# KiCad board MacroBoard.kicad_pcb
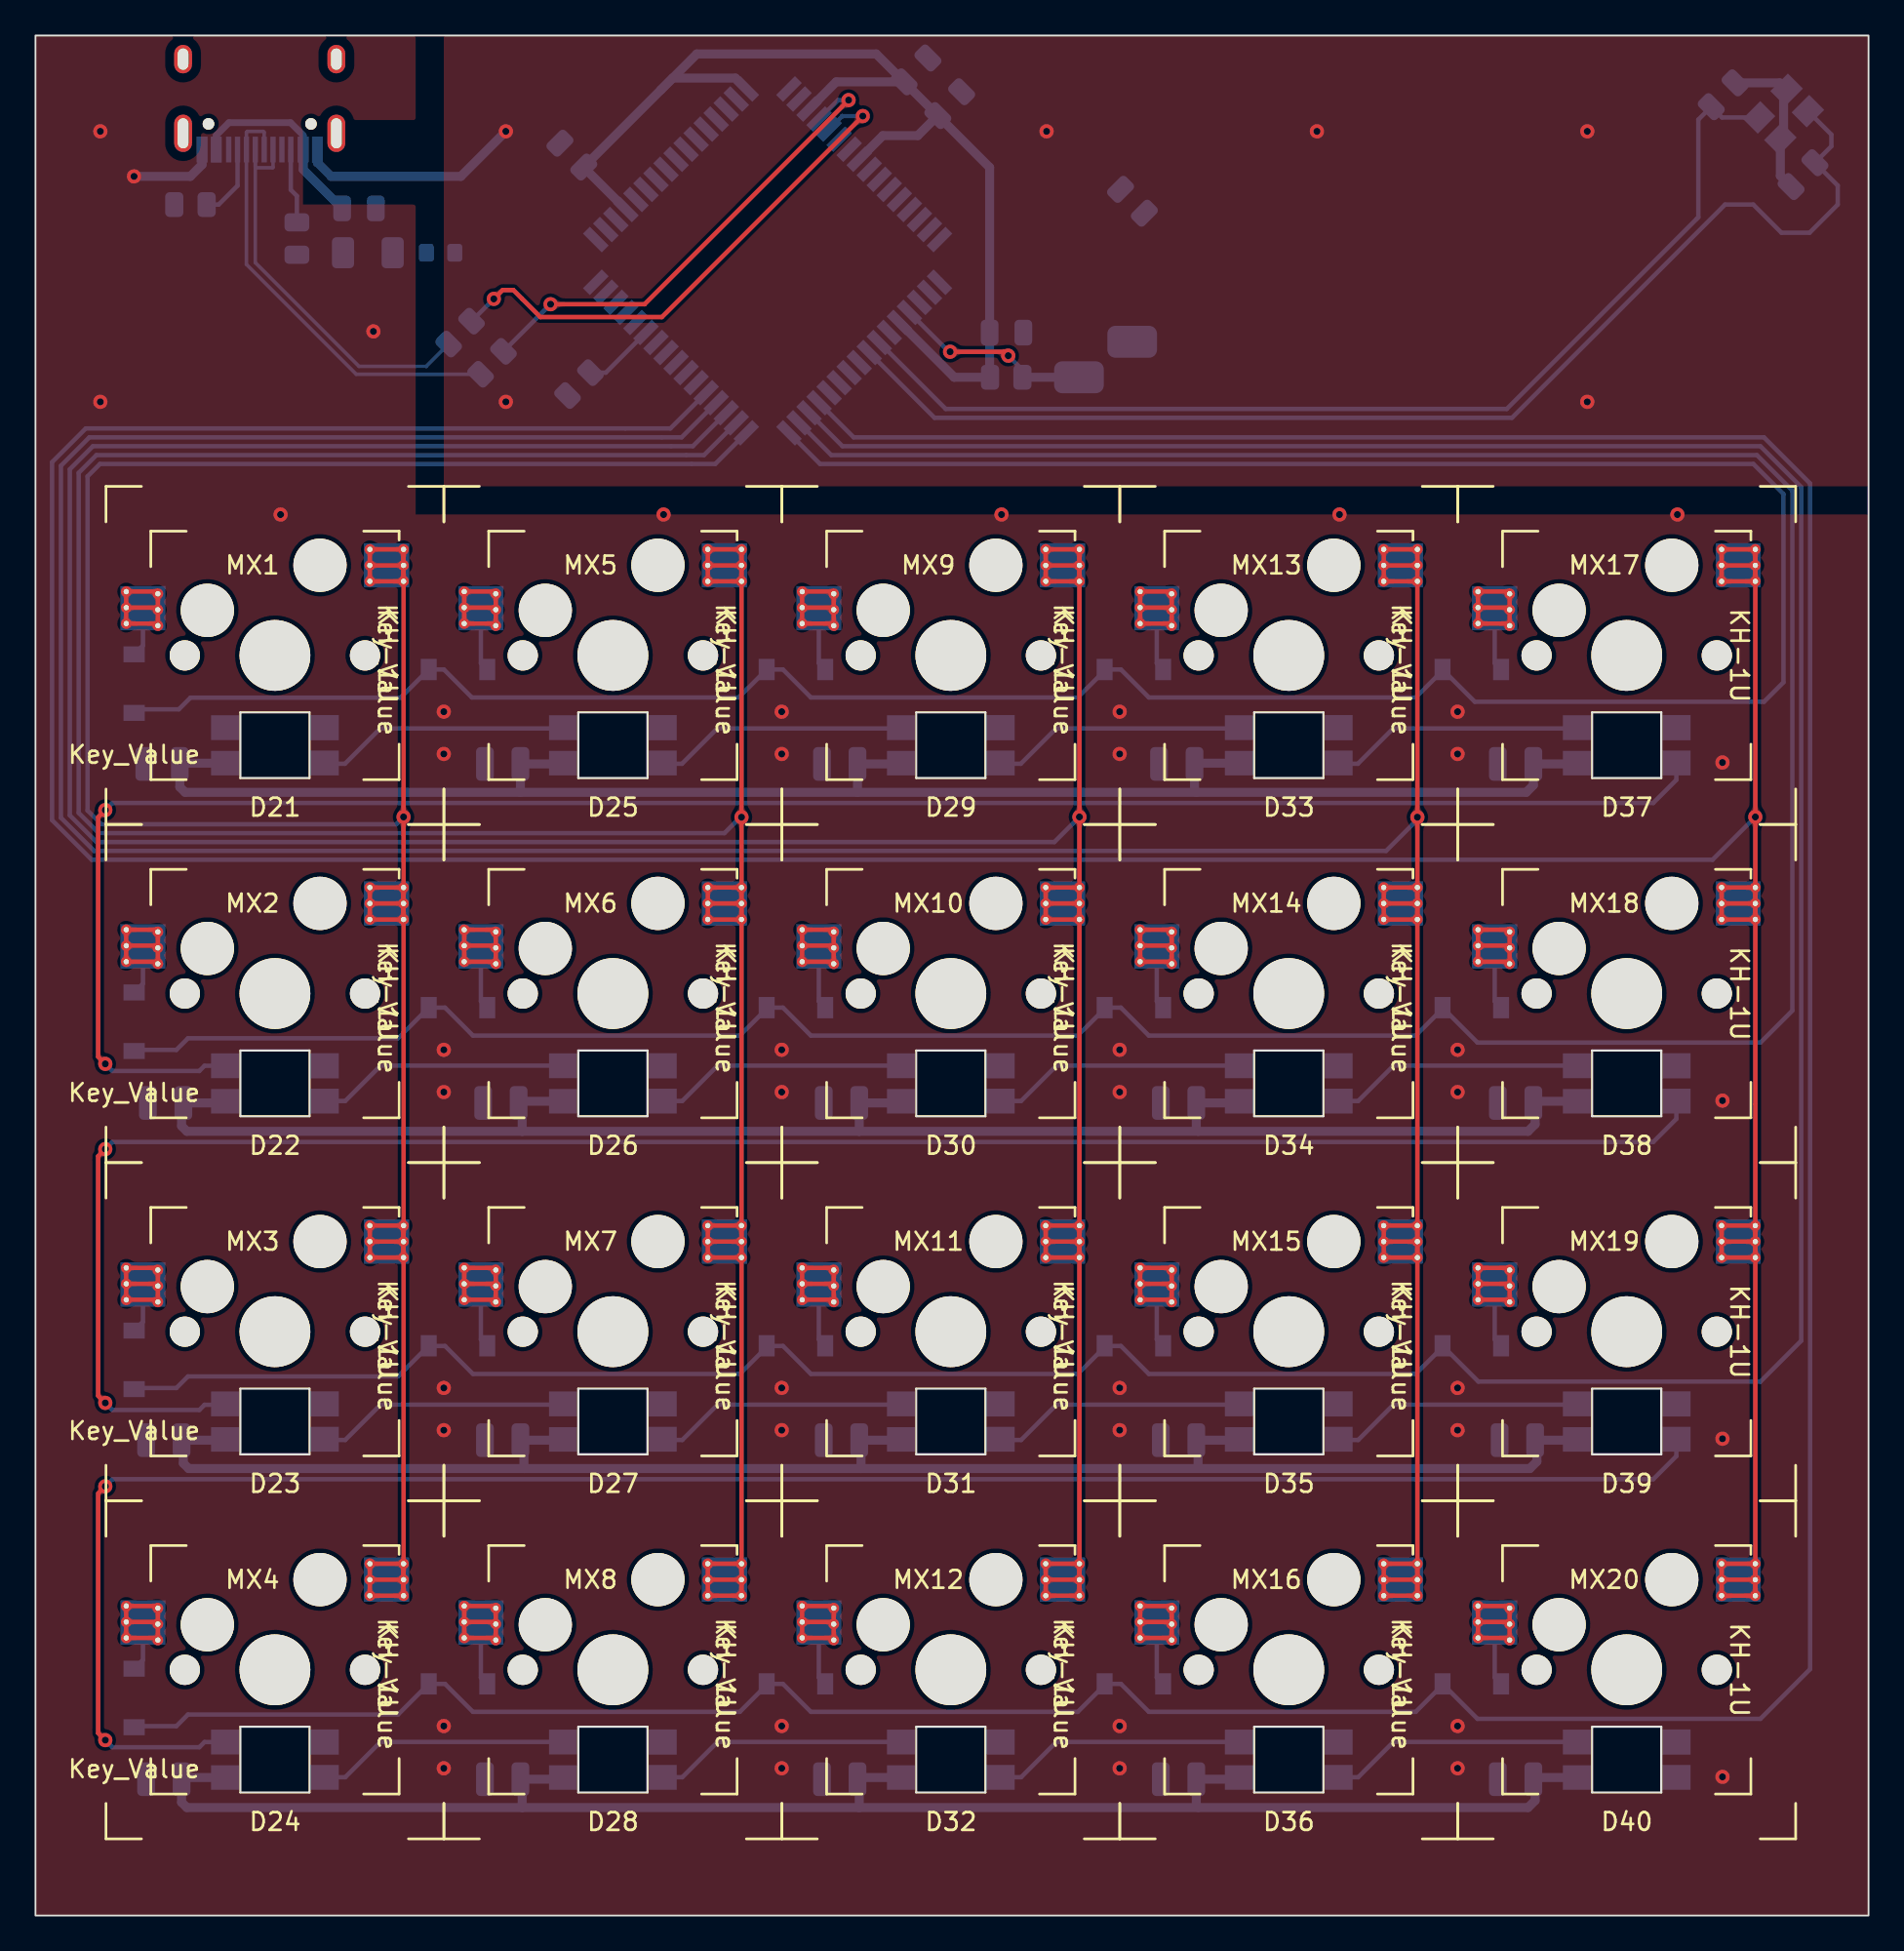
[diagram p0: board, top side]
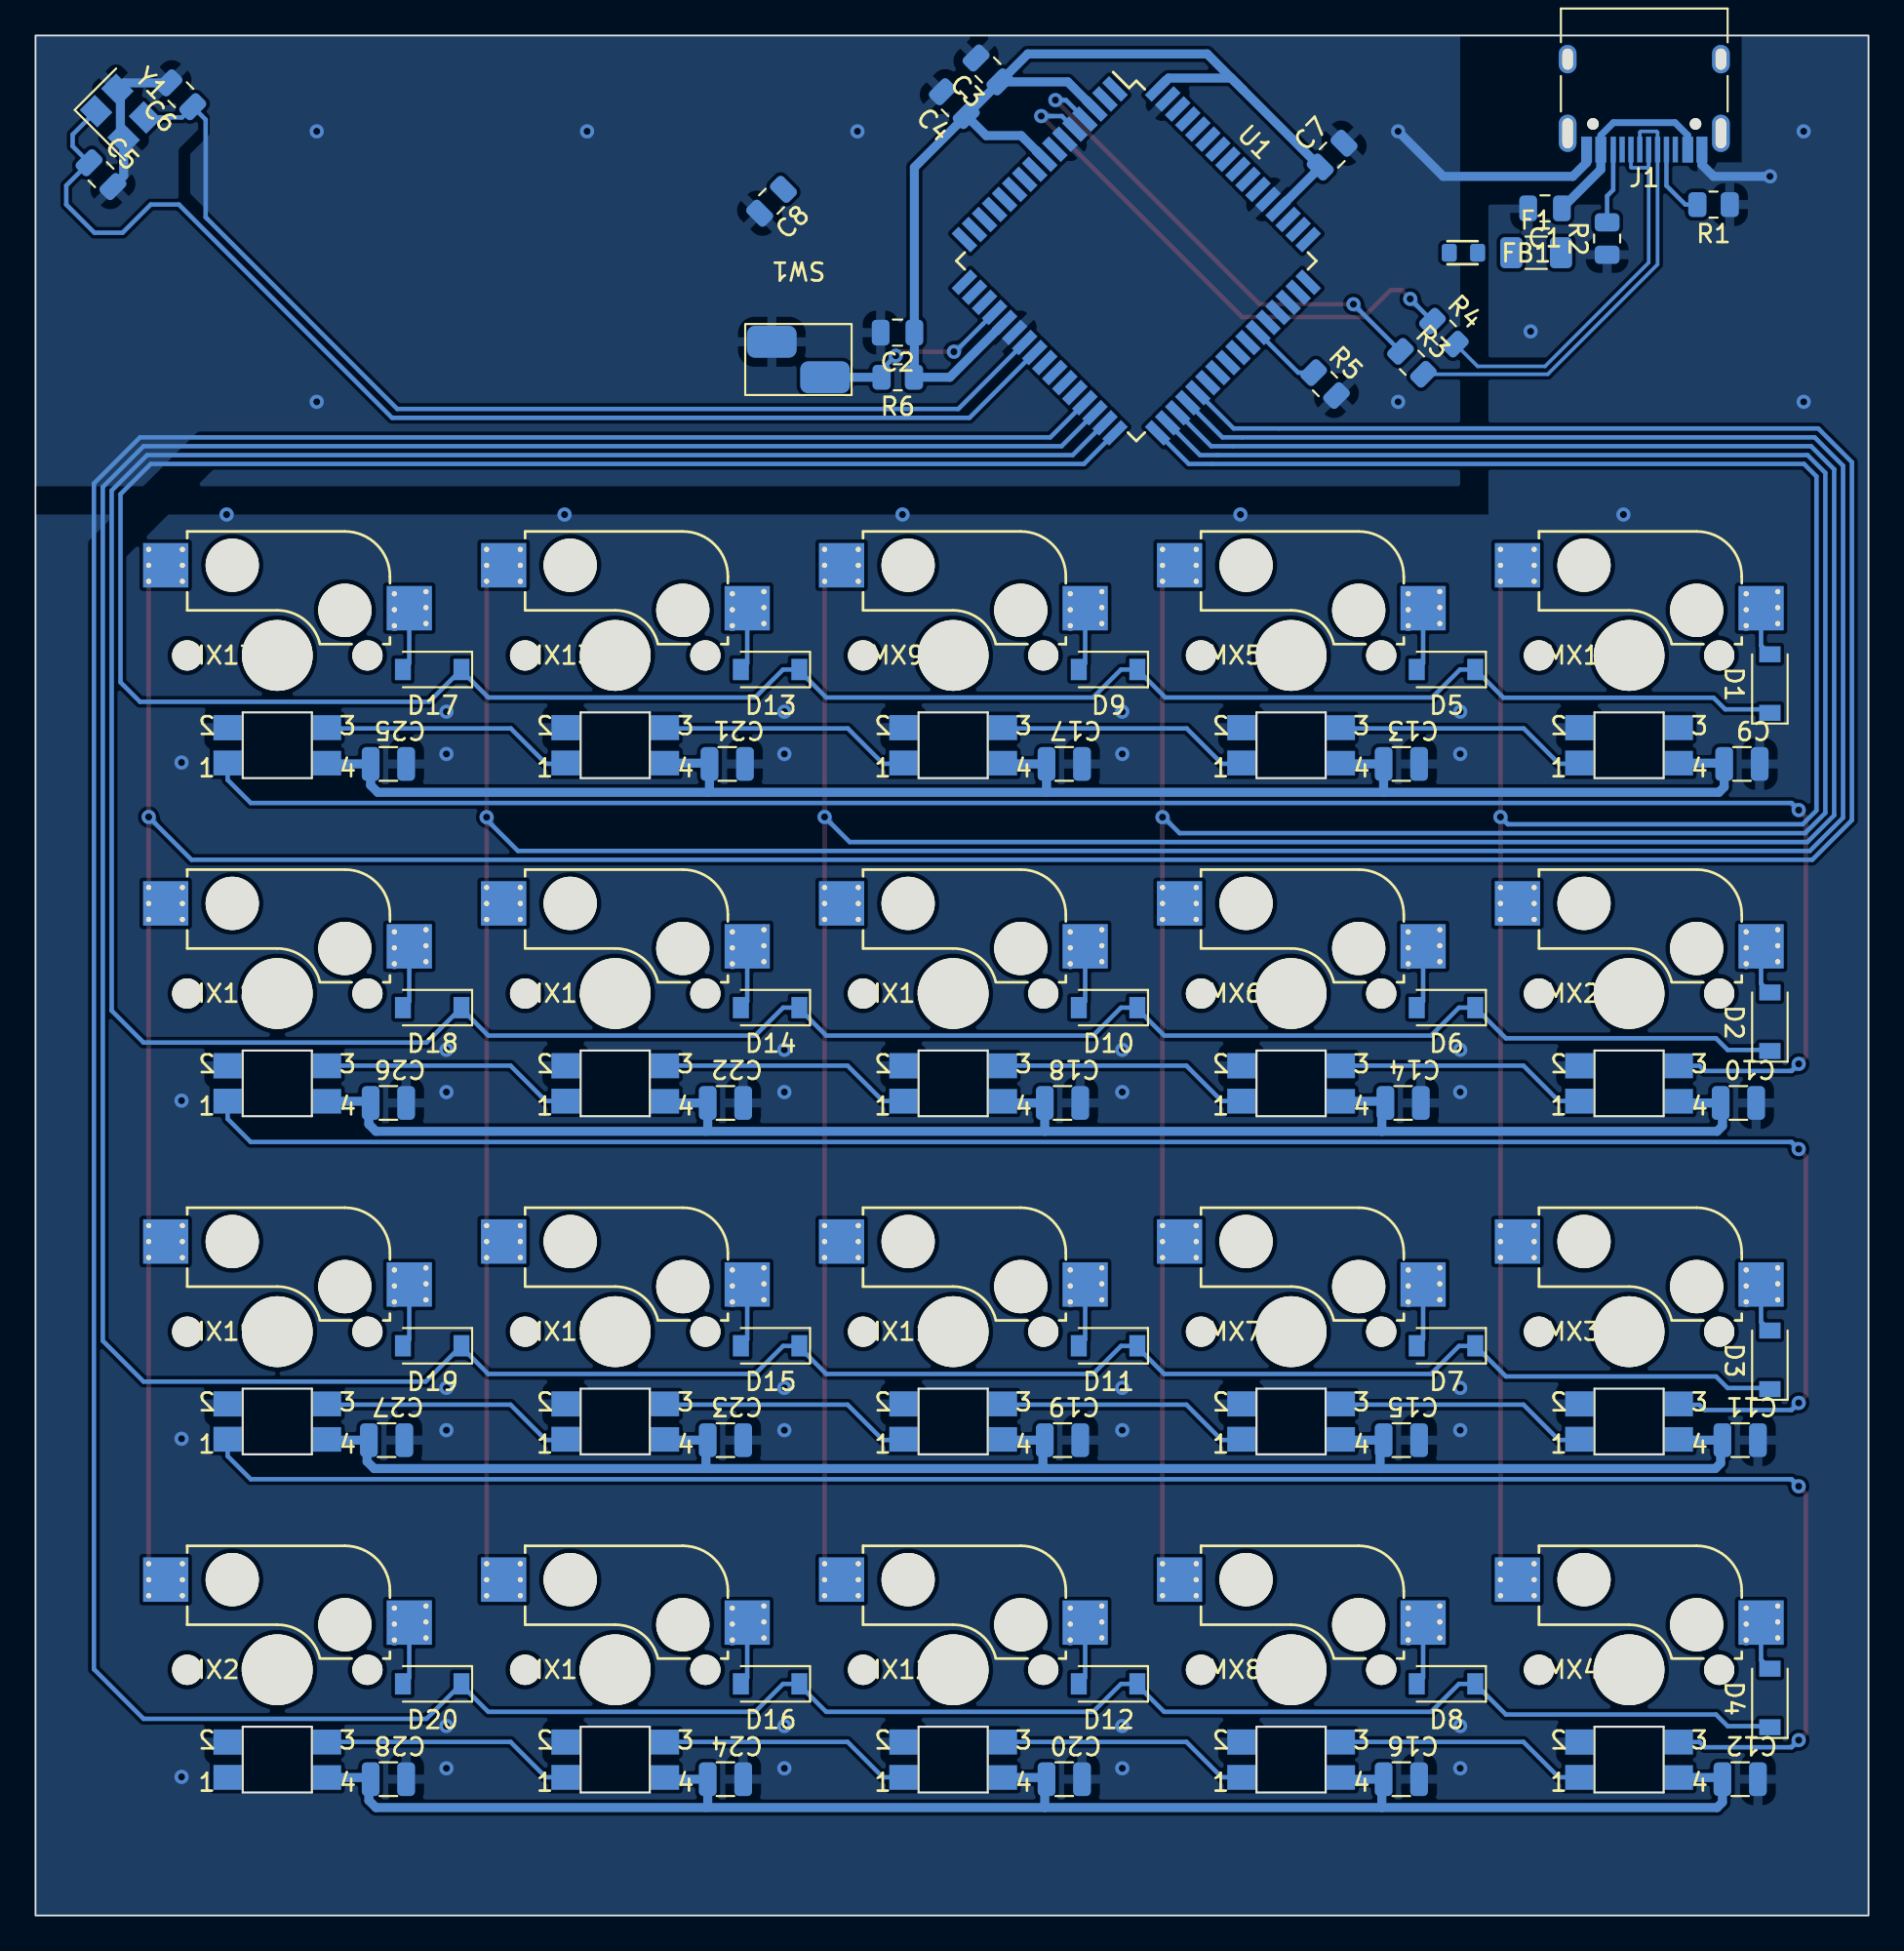
[diagram p1: board, bottom side, seen from below]

Outline 103.33 x 105.92 mm; copper layers: Top, Bottom. Coordinates in mm from the lower left corner of the outline.
Outline path: rectangle 0,105.92 103.33,0
Stack: Top 0.035mm / dielectric 1.51mm FR4 er 4.5 / Bottom 0.035mm

## Placement (name value [footprint] x y rotation side)
C1  10u  [C_0805_2012Metric]  18.24 96.18 0 bottom
C2  0.1uF  [C_0805_2012Metric]  54.74 89.18 0 bottom
C3  0.1uF  [C_0805_2012Metric]  49.64 103.98 45 bottom
C4  0.1uF  [C_0805_2012Metric]  51.54 102.08 45 bottom
C5  22pF  [C_0805_2012Metric]  99.64 98.08 225 bottom
C6  22pF  [C_0805_2012Metric]  95.14 102.58 45 bottom
C7  10uF  [C_0805_2012Metric]  30.24 99.18 135 bottom
C8  1uF  [C_0805_2012Metric]  61.84 96.58 315 bottom
C9  100nF  [led_capacitor]  7.14 64.88 180 bottom
C10  100nF  [led_capacitor]  7.34 45.78 180 bottom
C11  100nF  [led_capacitor]  7.24 26.78 180 bottom
C12  100nF  [led_capacitor]  7.24 7.68 180 bottom
C13  100nF  [led_capacitor]  26.34 64.88 180 bottom
C14  100nF  [led_capacitor]  26.24 45.78 180 bottom
C15  100nF  [led_capacitor]  26.34 26.78 180 bottom
C16  100nF  [led_capacitor]  26.34 7.68 180 bottom
C17  100nF  [led_capacitor]  45.34 64.88 180 bottom
C18  100nF  [led_capacitor]  45.44 45.78 180 bottom
C19  100nF  [led_capacitor]  45.44 26.78 180 bottom
C20  100nF  [led_capacitor]  45.34 7.68 180 bottom
C21  100nF  [led_capacitor]  64.34 64.88 180 bottom
C22  100nF  [led_capacitor]  64.44 45.78 180 bottom
C23  100nF  [led_capacitor]  64.44 26.78 180 bottom
C24  100nF  [led_capacitor]  64.44 7.68 180 bottom
C25  100nF  [led_capacitor]  83.44 64.88 180 bottom
C26  100nF  [led_capacitor]  83.44 45.78 180 bottom
C27  100nF  [led_capacitor]  83.54 26.78 180 bottom
C28  100nF  [led_capacitor]  83.44 7.68 180 bottom
D1  1.25V@150mA  [D_SOD-123]  5.56 69.41 90 bottom
D2  1.25V@150mA  [D_SOD-123]  5.56 50.36 90 bottom
D3  1.25V@150mA  [D_SOD-123]  5.56 31.31 90 bottom
D4  1.25V@150mA  [D_SOD-123]  5.56 12.26 90 bottom
D5  1.25V@150mA  [D_SOD-123]  23.82 70.2 0 bottom
D6  1.25V@150mA  [D_SOD-123]  23.82 51.15 0 bottom
D7  1.25V@150mA  [D_SOD-123]  23.82 32.1 0 bottom
D8  1.25V@150mA  [D_SOD-123]  23.82 13.05 0 bottom
D9  1.25V@150mA  [D_SOD-123]  42.87 70.2 0 bottom
D10  1.25V@150mA  [D_SOD-123]  42.87 51.15 0 bottom
D11  1.25V@150mA  [D_SOD-123]  42.87 32.1 0 bottom
D12  1.25V@150mA  [D_SOD-123]  42.87 13.05 0 bottom
D13  1.25V@150mA  [D_SOD-123]  61.92 70.2 0 bottom
D14  1.25V@150mA  [D_SOD-123]  61.92 51.15 0 bottom
D15  1.25V@150mA  [D_SOD-123]  61.92 32.1 0 bottom
D16  1.25V@150mA  [D_SOD-123]  61.92 13.05 0 bottom
D17  1.25V@150mA  [D_SOD-123]  80.97 70.2 0 bottom
D18  1.25V@150mA  [D_SOD-123]  80.97 51.15 0 bottom
D19  1.25V@150mA  [D_SOD-123]  80.97 32.1 0 bottom
D20  1.25V@150mA  [D_SOD-123]  80.97 13.05 0 bottom
D21  SK6812MINI  [SK6812MINI_3.5x3.7mm_SMD-Flipped-Back]  13.5 70.99 0 top
D22  SK6812MINI  [SK6812MINI_3.5x3.7mm_SMD-Flipped-Back]  13.5 51.94 0 top
D23  SK6812MINI  [SK6812MINI_3.5x3.7mm_SMD-Flipped-Back]  13.5 32.89 0 top
D24  SK6812MINI  [SK6812MINI_3.5x3.7mm_SMD-Flipped-Back]  13.5 13.84 0 top
D25  SK6812MINI  [SK6812MINI_3.5x3.7mm_SMD-Flipped-Back]  32.55 70.99 0 top
D26  SK6812MINI  [SK6812MINI_3.5x3.7mm_SMD-Flipped-Back]  32.55 51.94 0 top
D27  SK6812MINI  [SK6812MINI_3.5x3.7mm_SMD-Flipped-Back]  32.55 32.89 0 top
D28  SK6812MINI  [SK6812MINI_3.5x3.7mm_SMD-Flipped-Back]  32.55 13.84 0 top
D29  SK6812MINI  [SK6812MINI_3.5x3.7mm_SMD-Flipped-Back]  51.6 70.99 0 top
D30  SK6812MINI  [SK6812MINI_3.5x3.7mm_SMD-Flipped-Back]  51.6 51.94 0 top
D31  SK6812MINI  [SK6812MINI_3.5x3.7mm_SMD-Flipped-Back]  51.6 32.89 0 top
D32  SK6812MINI  [SK6812MINI_3.5x3.7mm_SMD-Flipped-Back]  51.6 13.84 0 top
D33  SK6812MINI  [SK6812MINI_3.5x3.7mm_SMD-Flipped-Back]  70.65 70.99 0 top
D34  SK6812MINI  [SK6812MINI_3.5x3.7mm_SMD-Flipped-Back]  70.65 51.94 0 top
D35  SK6812MINI  [SK6812MINI_3.5x3.7mm_SMD-Flipped-Back]  70.65 32.89 0 top
D36  SK6812MINI  [SK6812MINI_3.5x3.7mm_SMD-Flipped-Back]  70.65 13.84 0 top
D37  SK6812MINI  [SK6812MINI_3.5x3.7mm_SMD-Flipped-Back]  89.7 70.99 0 top
D38  SK6812MINI  [SK6812MINI_3.5x3.7mm_SMD-Flipped-Back]  89.7 51.94 0 top
D39  SK6812MINI  [SK6812MINI_3.5x3.7mm_SMD-Flipped-Back]  89.7 32.89 0 top
D40  SK6812MINI  [SK6812MINI_3.5x3.7mm_SMD-Flipped-Back]  89.7 13.84 0 top
F1  500mA  [Fuse_1206_3216Metric]  18.74 93.68 180 bottom
FB1  600R  [Ferrite_Bead_0603]  22.84 93.68 180 bottom
J1  USB_C_Receptacle_USB2.0  [USB_C_Receptacle_HRO_TYPE-C-31-M-12]  12.64 103.54 0 bottom
MX1  MX-NoLED  [Kailh-Hotswap-1U]  13.5 70.99 0 top
MX2  MX-NoLED  [Kailh-Hotswap-1U]  13.5 51.94 0 top
MX3  MX-NoLED  [Kailh-Hotswap-1U]  13.5 32.89 0 top
MX4  MX-NoLED  [Kailh-Hotswap-1U]  13.5 13.84 0 top
MX5  MX-NoLED  [Kailh-Hotswap-1U]  32.55 70.99 0 top
MX6  MX-NoLED  [Kailh-Hotswap-1U]  32.55 51.94 0 top
MX7  MX-NoLED  [Kailh-Hotswap-1U]  32.55 32.89 0 top
MX8  MX-NoLED  [Kailh-Hotswap-1U]  32.55 13.84 0 top
MX9  MX-NoLED  [Kailh-Hotswap-1U]  51.6 70.99 0 top
MX10  MX-NoLED  [Kailh-Hotswap-1U]  51.6 51.94 0 top
MX11  MX-NoLED  [Kailh-Hotswap-1U]  51.6 32.89 0 top
MX12  MX-NoLED  [Kailh-Hotswap-1U]  51.6 13.84 0 top
MX13  MX-NoLED  [Kailh-Hotswap-1U]  70.65 70.99 0 top
MX14  MX-NoLED  [Kailh-Hotswap-1U]  70.65 51.94 0 top
MX15  MX-NoLED  [Kailh-Hotswap-1U]  70.65 32.89 0 top
MX16  MX-NoLED  [Kailh-Hotswap-1U]  70.65 13.84 0 top
MX17  MX-NoLED  [Kailh-Hotswap-1U]  89.7 70.99 0 top
MX18  MX-NoLED  [Kailh-Hotswap-1U]  89.7 51.94 0 top
MX19  MX-NoLED  [Kailh-Hotswap-1U]  89.7 32.89 0 top
MX20  MX-NoLED  [Kailh-Hotswap-1U]  89.7 13.84 0 top
R1  5K1  [R_0805_2012Metric]  8.74 96.39 0 bottom
R2  5K1  [R_0805_2012Metric]  14.74 94.48 90 bottom
R3  22  [R_0805_2012Metric]  25.74 87.48 225 bottom
R4  22  [R_0805_2012Metric]  23.94 89.18 225 bottom
R5  10k  [R_0805_2012Metric]  30.64 86.28 225 bottom
R6  10k  [R_0805_2012Metric]  54.72 86.67 0 bottom
SW1  SW_Push  [switch_without_switch]  60.32 87.67 180 bottom
U1  AT90USB1286-AU  [TQFP-64_14x14mm_P0.8mm]  41.27 93.22 225 bottom
Y1  Crystal_GND24_Small  [Crystal_SMD_3225-4Pin_3.2x2.5mm]  98.54 101.48 225 bottom

## Library data of the parts
D1-D20 = -: Item: 1N4148W; LCSC: https://lcsc.com/product-detail/Switching-Diode_GOODWORK-1N4148W_C909967.html; Name: Esc

## Footprints (pads in the part's own frame, mm; a bottom-side part is the same pattern mirrored in y, then rotated)
C_0805_2012Metric
  rrect 1x1.45 smd: 1(-0.95,0) 2(0.95,0)
Crystal_SMD_3225-4Pin_3.2x2.5mm
  rect 1.4x1.2 smd: 1(-1.1,-0.85) 2(1.1,-0.85) 3(1.1,0.85) 4(-1.1,0.85)
D_SOD-123
  rect 0.9x1.2 smd: 1(-1.65,0) 2(1.65,0)
Ferrite_Bead_0603
  rrect 0.85x1 smd: 1(-0.8,0) 2(0.8,0)
Fuse_1206_3216Metric
  rrect 1.25x1.75 smd: 1(-1.4,0) 2(1.4,0)
Kailh-Hotswap-1U
  round 1.702 hole 1.702 unplated: (-5.08,0) (5.08,0)
  round 3 hole 3 unplated: (-3.81,2.54) (2.54,5.08)
  round 3.988 hole 3.988 unplated: (0,0)
  round 0.6 hole 0.3: 1(5.35,5.975) 1(5.35,5.075) 1(5.35,4.175) 1(7.25,5.975) 1(7.25,5.075) 1(7.25,4.175) 2(-8.38,3.595) 2(-8.38,2.695) 2(-8.38,1.795) 2(-6.6,3.475) 2(-6.6,2.575) 2(-6.6,1.675)
  rect 2.55x2.5 smd far side: 1(6.29,5.08) 2(-7.44,2.66)
led_capacitor
  rrect 1x1.9 smd: 1(-1,0) 2(1,0)
R_0805_2012Metric
  rrect 1.025x1.4 smd: 1(-0.912,0) 2(0.912,0)
SK6812MINI_3.5x3.7mm_SMD-Flipped-Back
  rect 1.6x1.4 smd far side: 1(2.8,-6.06) 3(-2.8,-4.07)
  rect 1.6x1.42 smd far side: 2(2.8,-4.07)
  rect 1.6x1.38 smd far side: 4(-2.8,-6.07)
switch_without_switch
  rrect 2.8x1.8 smd: 1(-1.5,1) 2(1.5,-1)
TQFP-64_14x14mm_P0.8mm
  rect 1.5x0.55 smd: 1(-7.7,6) 2(-7.7,5.2) 3(-7.7,4.4) 4(-7.7,3.6) 5(-7.7,2.8) 6(-7.7,2) 7(-7.7,1.2) 8(-7.7,0.4) 9(-7.7,-0.4) 10(-7.7,-1.2) 11(-7.7,-2) 12(-7.7,-2.8) 13(-7.7,-3.6) 14(-7.7,-4.4) 15(-7.7,-5.2) 16(-7.7,-6) 33(7.7,-6) 34(7.7,-5.2) 35(7.7,-4.4) 36(7.7,-3.6) 37(7.7,-2.8) 38(7.7,-2) 39(7.7,-1.2) 40(7.7,-0.4) 41(7.7,0.4) 42(7.7,1.2) 43(7.7,2) 44(7.7,2.8) 45(7.7,3.6) 46(7.7,4.4) 47(7.7,5.2) 48(7.7,6)
  rect 0.55x1.5 smd: 17(-6,-7.7) 18(-5.2,-7.7) 19(-4.4,-7.7) 20(-3.6,-7.7) 21(-2.8,-7.7) 22(-2,-7.7) 23(-1.2,-7.7) 24(-0.4,-7.7) 25(0.4,-7.7) 26(1.2,-7.7) 27(2,-7.7) 28(2.8,-7.7) 29(3.6,-7.7) 30(4.4,-7.7) 31(5.2,-7.7) 32(6,-7.7) 49(6,7.7) 50(5.2,7.7) 51(4.4,7.7) 52(3.6,7.7) 53(2.8,7.7) 54(2,7.7) 55(1.2,7.7) 56(0.4,7.7) 57(-0.4,7.7) 58(-1.2,7.7) 59(-2,7.7) 60(-2.8,7.7) 61(-3.6,7.7) 62(-4.4,7.7) 63(-5.2,7.7) 64(-6,7.7)
USB_C_Receptacle_HRO_TYPE-C-31-M-12
  round 0.65 hole 0.65 unplated: (-2.89,2.6) (2.89,2.6)
  rect 0.6x1.45 smd: A1(-3.25,4.045) A4(-2.45,4.045) A9(2.45,4.045) A12(3.25,4.045) B1(3.25,4.045) B4(2.45,4.045) B9(-2.45,4.045) B12(-3.25,4.045)
  rect 0.3x1.45 smd: A5(-1.25,4.045) A6(-0.25,4.045) A7(0.25,4.045) A8(1.25,4.045) B5(1.75,4.045) B6(0.75,4.045) B7(-0.75,4.045) B8(-1.75,4.045)
  oval 1x1.6 hole 0.6x1.2: S1(-4.32,-1.05) S1(4.32,-1.05)
  oval 1x2.1 hole 0.6x1.7: S1(-4.32,3.13) S1(4.32,3.13)

## Nets
+5V: C2.1 C3.1 C4.1 C7.1 C9.1 C10.1 C11.1 C12.1 C13.1 C14.1 C15.1 C16.1 C17.1 C18.1 C19.1 C20.1 C21.1 C22.1 C23.1 C24.1 C25.1 C26.1 C27.1 C28.1 D21.4 D22.4 D23.4 D24.4 D25.4 D26.4 D27.4 D28.4 D29.4 D30.4 D31.4 D32.4 D33.4 D34.4 D35.4 D36.4 D37.4 D38.4 D39.4 D40.4 FB1.1 R6.1 U1.3 U1.8 U1.21 U1.52 U1.64
GND: C1.2 C2.2 C3.2 C4.2 C5.2 C6.2 C7.2 C8.2 C9.2 C10.2 C11.2 C12.2 C13.2 C14.2 C15.2 C16.2 C17.2 C18.2 C19.2 C20.2 C21.2 C22.2 C23.2 C24.2 C25.2 C26.2 C27.2 C28.2 D21.2 D22.2 D23.2 D24.2 D25.2 D26.2 D27.2 D28.2 D29.2 D30.2 D31.2 D32.2 D33.2 D34.2 D35.2 D36.2 D37.2 D38.2 D39.2 D40.2 J1.A1 J1.A12 J1.B1 J1.B12 J1.S1 R1.1 R2.1 R5.2 SW1.1 U1.6 U1.22 U1.53 U1.63 Y1.2 Y1.4
VCC: C1.1 F1.2 J1.A4 J1.A9 J1.B4 J1.B9
COL0: MX1.1 MX2.1 MX3.1 MX4.1 U1.33
COL1: MX5.1 MX6.1 MX7.1 MX8.1 U1.34
COL2: MX9.1 MX10.1 MX11.1 MX12.1 U1.35
COL3: MX13.1 MX14.1 MX15.1 MX16.1 U1.36
COL4: MX17.1 MX18.1 MX19.1 MX20.1 U1.37
D+: J1.A6 J1.B6 R4.2
D-: J1.A7 J1.B7 R3.2
DataIN: D21.3
DataOUT: D40.1
ROW0: D1.1 D5.1 D9.1 D13.1 D17.1 U1.32
ROW1: D2.1 D6.1 D10.1 D14.1 D18.1 U1.31
ROW2: D3.1 D7.1 D11.1 D15.1 D19.1 U1.30
ROW3: D4.1 D8.1 D12.1 D16.1 D20.1 U1.29
Net-(C5-Pad1): C5.1 U1.24 Y1.1
Net-(C6-Pad1): C6.1 U1.23 Y1.3
Net-(C8-Pad1): C8.1 U1.7
Net-(D1-Pad2): D1.2 MX1.2
Net-(D2-Pad2): D2.2 MX2.2
Net-(D3-Pad2): D3.2 MX3.2
Net-(D4-Pad2): D4.2 MX4.2
Net-(D5-Pad2): D5.2 MX5.2
Net-(D6-Pad2): D6.2 MX6.2
Net-(D7-Pad2): D7.2 MX7.2
Net-(D8-Pad2): D8.2 MX8.2
Net-(D9-Pad2): D9.2 MX9.2
Net-(D10-Pad2): D10.2 MX10.2
Net-(D11-Pad2): D11.2 MX11.2
Net-(D12-Pad2): D12.2 MX12.2
Net-(D13-Pad2): D13.2 MX13.2
Net-(D14-Pad2): D14.2 MX14.2
Net-(D15-Pad2): D15.2 MX15.2
Net-(D16-Pad2): D16.2 MX16.2
Net-(D17-Pad2): D17.2 MX17.2
Net-(D18-Pad2): D18.2 MX18.2
Net-(D19-Pad2): D19.2 MX19.2
Net-(D20-Pad2): D20.2 MX20.2
Net-(D21-Pad1): D21.1 D25.3
Net-(D22-Pad1): D22.1 D26.3
Net-(D22-Pad3): D22.3 D37.1
Net-(D23-Pad1): D23.1 D27.3
Net-(D23-Pad3): D23.3 D38.1
Net-(D24-Pad1): D24.1 D28.3
Net-(D24-Pad3): D24.3 D39.1
Net-(D25-Pad1): D25.1 D29.3
Net-(D26-Pad1): D26.1 D30.3
Net-(D27-Pad1): D27.1 D31.3
Net-(D28-Pad1): D28.1 D32.3
Net-(D29-Pad1): D29.1 D33.3
Net-(D30-Pad1): D30.1 D34.3
Net-(D31-Pad1): D31.1 D35.3
Net-(D32-Pad1): D32.1 D36.3
Net-(D33-Pad1): D33.1 D37.3
Net-(D34-Pad1): D34.1 D38.3
Net-(D35-Pad1): D35.1 D39.3
Net-(D36-Pad1): D36.1 D40.3
Net-(F1-Pad1): F1.1 FB1.2
Net-(J1-PadA5): J1.A5 R1.2
Net-(J1-PadB5): J1.B5 R2.2
Net-(R3-Pad1): R3.1 U1.4
Net-(R4-Pad1): R4.1 U1.5
Net-(R5-Pad1): R5.1 U1.43
Net-(R6-Pad2): R6.2 SW1.2 U1.20

Pads without a net: J1 A8 B8; U1 1 2 9 10 11 12 13 14 15 16 17 18 19 25 26 27 28 38 39 40 41 42 44 45 46 47 48 49 50 51 54 55 56 57 58 59 60 61 62

## Via types
v1: diameter 0.8, hole 0.4, Top to Bottom, 68 vias

## Routing (per net, layer and track width the routed paths; a pad name or vN(x,y) marks a point on that pad's centre or on a via; arc(x,y) is an arc through that point)
+5V: length 451.2
  Bottom w0.508: 27.44,44.18 8.54,44.18 8.24,44.48 8.24,45.78 ; 27.44,44.18 27.44,45.78 ; 27.44,44.18 46.44,44.18 ; C28.1 84.53,7.77 D40.4 ; D21.4 8.18,64.92 C9.1 8.14,63.58 8.44,63.28 27.34,63.28 ; D36.4 67.76,7.68 C24.1 65.44,6.18 ; D34.4 67.76,45.78 C22.1 65.44,44.28 ; D29.4 48.76,64.88 C17.1 46.34,63.28 ; C23.1 67.81,26.78 D35.4 ; D28.4 29.66,7.68 C16.1 ; D25.4 29.71,64.88 C13.1 27.34,63.28 ; C3.1 47.39,104.88 37.28,104.88 35.26,102.86 ; C3.1 C4.1 ; C3.1 45.14,103.31 U1.3 ; D26.4 27.33,45.87 C14.1 ; U1.8 47.77,100.28 49.74,100.28 C4.1 ; D39.4 86.86,26.78 C27.1 ; D30.4 48.71,45.78 C18.1 46.44,44.18 ; 27.44,6.08 46.44,6.08 ; 27.44,6.08 8.54,6.08 8.24,6.38 C12.1 8.33,7.77 D24.4 ; 27.44,6.08 27.44,7.68 ; 46.44,6.08 84.14,6.08 84.54,6.48 84.54,7.68 ; 46.44,6.08 46.44,7.68 ; 84.64,26.78 84.64,25.58 84.24,25.18 46.54,25.18 ; 27.54,25.18 27.54,26.78 ; 27.54,25.18 46.54,25.18 ; 27.54,25.18 8.64,25.18 8.34,25.48 8.34,26.78 ; 27.34,63.28 46.34,63.28 ; U1.52 30.91,98.5 C7.1 35.26,102.86 ; 35.26,102.86 35.92,103.52 39.46,103.52 U1.64 ; 46.34,63.28 65.44,63.28 ; 65.44,63.28 84.04,63.28 84.44,63.68 C25.1 86.86,64.88 D37.4 ; 65.44,63.28 65.34,63.38 C21.1 65.38,64.92 D33.4 ; C10.1 10.61,45.78 D22.4 ; 65.54,26.78 65.54,25.28 ; D31.4 48.76,26.78 C19.1 ; 46.54,25.18 46.54,26.78 ; C15.1 29.71,26.78 D27.4 ; C4.1 53.79,98.49 C2.1 53.79,86.69 R6.1 51.79,86.67 U1.21 ; C26.1 84.53,45.87 D38.4 ; D23.4 10.66,26.78 C11.1 ; C20.1 46.43,7.77 D32.4 ; 84.54,45.78 84.54,44.58 84.14,44.18 46.44,44.18
GND: length 26.6
  Bottom w0.508: C5.2 98.36,98.01 Y1.2 98.54,100.29 98.54,102.69 Y1.4 98.32,103.25 C6.2 ; v1(5.56,97.98) 8.73,97.98 9.39,98.64 J1.A1 ; J1.A12 15.89,98.76 16.67,97.98 23.98,97.98 v1(26.52,100.52)
  vias: v1(3.66,100.52) v1(3.66,85.28) v1(13.82,78.93) v1(19.05,89.25) v1(23.02,67.82) v1(23.02,65.44) v1(23.02,48.77) v1(23.02,46.39) v1(23.02,29.73) v1(23.02,27.34) v1(23.02,10.68) v1(23.02,8.3) v1(26.52,85.28) v1(35.41,78.93) v1(42.07,67.82) v1(42.07,65.44) v1(42.07,48.77) v1(42.07,46.39) v1(42.07,29.73) v1(42.07,27.34) v1(42.07,10.68) v1(42.07,8.3) v1(54.46,78.93) v1(57,100.52) v1(61.11,67.82) v1(61.11,65.44) v1(61.11,48.77) v1(61.11,46.39) v1(61.11,29.73) v1(61.11,27.34) v1(61.11,10.68) v1(61.11,8.3) v1(72.24,100.52) v1(73.51,78.93) v1(80.16,67.82) v1(80.16,65.44) v1(80.16,48.77) v1(80.16,46.39) v1(80.16,29.73) v1(80.16,27.34) v1(80.16,10.68) v1(80.16,8.3) v1(87.48,100.52) v1(87.48,85.28) v1(92.56,78.93) v1(95.1,64.96) v1(95.1,45.91) v1(95.1,26.86) v1(95.1,7.81)
VCC: length 11.3
  Bottom w0.381: J1.A4 10.19,100.3 10.9,101.01 14.38,101.01 15.09,100.3 J1.A9
  Bottom w0.508: J1.A9 15.09,98.38 C1.1 ; 17.29,93.66 17.27,93.64
COL0: length 171.4
  Top w0.25: MX4.1 MX4.1 ; MX4.1 MX4.1 MX4.1 MX4.1 MX4.1 ; MX4.1 v1(20.75,61.89) MX1.1 ; MX1.1 MX1.1 MX1.1 MX1.1 MX1.1 ; MX3.1 MX3.1 ; MX1.1 MX1.1 ; MX2.1 MX2.1 ; MX3.1 MX3.1 MX3.1 MX3.1 MX3.1 ; MX2.1 MX2.1 MX2.1 MX2.1 MX2.1
  Bottom w0.25: U1.33 38.32,81.78 3.64,81.78 2.94,81.08 2.94,62.26 3.71,61.48 20.34,61.48 v1(20.75,61.89)
COL1: length 191.8
  Top w0.25: MX8.1 MX8.1 MX8.1 MX8.1 MX8.1 ; MX8.1 v1(39.8,61.88) MX5.1 ; MX5.1 MX5.1 ; MX5.1 MX5.1 MX5.1 MX5.1 MX5.1 ; MX6.1 MX6.1 ; MX8.1 MX8.1 ; MX7.1 MX7.1 ; MX6.1 MX6.1 MX6.1 MX6.1 MX6.1 ; MX7.1 MX7.1 MX7.1 MX7.1 MX7.1
  Bottom w0.25: U1.34 37.69,82.28 3.44,82.28 2.44,81.28 2.44,62.12 3.58,60.98 38.84,60.98 39.74,61.88 v1(39.8,61.88)
COL2: length 212.1
  Top w0.25: MX9.1 v1(58.85,61.89) MX12.1 ; MX9.1 MX9.1 MX9.1 MX9.1 MX9.1 ; MX12.1 MX12.1 ; MX12.1 MX12.1 MX12.1 MX12.1 MX12.1 ; MX10.1 MX10.1 ; MX9.1 MX9.1 ; MX11.1 MX11.1 ; MX10.1 MX10.1 MX10.1 MX10.1 MX10.1 ; MX11.1 MX11.1 MX11.1 MX11.1 MX11.1
  Bottom w0.25: v1(58.85,61.89) 57.44,60.48 3.44,60.48 1.94,61.99 1.94,81.48 3.24,82.78 37.05,82.78 U1.35
COL3: length 230.7
  Top w0.25: MX15.1 MX15.1 ; MX16.1 MX16.1 MX16.1 MX16.1 MX16.1 ; MX16.1 v1(77.9,61.88) MX13.1 MX13.1 MX13.1 MX13.1 ; MX13.1 MX13.1 ; MX14.1 MX14.1 ; MX16.1 MX16.1 ; MX15.1 MX15.1 MX15.1 MX15.1 MX15.1 ; MX14.1 MX14.1 MX14.1 MX14.1 MX14.1
  Bottom w0.25: U1.36 36.42,83.28 3.04,83.28 1.44,81.68 1.44,61.85 3.3,59.98 76.14,59.98 77.9,61.74 v1(77.9,61.88)
COL4: length 252.7
  Top w0.25: MX17.1 v1(96.95,61.89) MX20.1 ; MX17.1 MX17.1 MX17.1 MX17.1 MX17.1 ; MX20.1 MX20.1 MX20.1 MX20.1 MX20.1 ; MX18.1 MX18.1 ; MX17.1 MX17.1 ; MX20.1 MX20.1 ; MX19.1 MX19.1 ; MX19.1 MX19.1 MX19.1 MX19.1 MX19.1 ; MX18.1 MX18.1 MX18.1 MX18.1 MX18.1
  Bottom w0.25: v1(96.95,61.89) 94.54,59.48 3.17,59.48 0.94,61.71 0.94,81.88 2.84,83.78 35.79,83.78 U1.37
D+: length 23.2
  Bottom w0.2: R4.2 22.04,87.28 18.24,87.28 12.39,93.13 J1.A6 12.39,98.52 12.44,98.47 13.37,98.47 13.39,98.5 J1.B6
D-: length 25.2
  Bottom w0.2: J1.A7 12.89,100.47 12.84,100.52 11.94,100.52 11.89,100.47 J1.B7 11.89,93.03 18.08,86.84 R3.2
ROW0: length 167.2
  Bottom w0.25: D17.1 81.14,68.38 97.44,68.38 98.54,69.48 98.54,80.08 96.84,81.78 44.23,81.78 U1.32 ; 79.38,70.2 77.8,68.63 62.76,68.63 61.19,70.2 60.33,70.2 58.75,68.63 43.71,68.63 42.14,70.2 41.28,70.2 ; D1.1 5.76,67.96 8.08,67.96 8.74,68.61 20.58,68.61 D5.1 23.02,70.2 24.6,68.63 39.64,68.63 D9.1
ROW1: length 186.6
  Bottom w0.25: U1.31 44.86,82.28 97.04,82.28 99.04,80.28 99.04,50.98 97.24,49.18 81.29,49.18 D18.1 ; 22.03,51.01 20.44,49.42 8.6,49.42 7.94,48.77 5.62,48.77 ; 22.23,51.15 23.09,51.15 24.66,49.58 39.7,49.58 41.28,51.15 42.14,51.15 43.71,49.58 58.75,49.58 60.33,51.15 61.19,51.15 62.76,49.58 77.8,49.58 79.38,51.15
ROW2: length 206.2
  Bottom w0.25: 79.38,32.09 77.8,30.51 62.76,30.51 61.19,32.09 60.33,32.09 58.75,30.51 43.71,30.51 42.14,32.09 41.28,32.09 39.7,30.51 24.66,30.51 23.09,32.09 22.23,32.09 ; 5.62,29.72 7.94,29.72 8.6,30.37 20.44,30.37 22.03,31.96 ; U1.30 45.49,82.78 97.24,82.78 99.54,80.48 99.54,32.38 97.24,30.08 81.34,30.08 D19.1
ROW3: length 225.6
  Bottom w0.25: 5.62,10.67 7.94,10.67 8.6,11.32 20.44,11.32 22.03,12.91 ; 79.38,13.05 77.8,11.48 62.76,11.48 61.19,13.05 60.33,13.05 58.75,11.48 43.71,11.48 42.14,13.05 41.28,13.05 39.7,11.48 24.66,11.48 23.09,13.05 22.23,13.05 ; D20.1 81.29,11.08 97.24,11.08 100.04,13.88 100.04,80.68 97.44,83.28 46.12,83.28 U1.29
Net-(C5-Pad1): length 69.1
  Bottom w0.25: U1.24 50.68,84.38 83.23,84.38 95.24,96.4 96.83,96.4 98.42,94.81 100.01,94.81 101.59,96.4 101.59,97.47 C5.1 101.24,99.68 101.24,100.34 Y1.1
Net-(C6-Pad1): length 61.7
  Bottom w0.25: Y1.3 95.07,101.3 C6.1 93.74,101.18 93.74,95.68 82.94,84.88 51.31,84.88 U1.23
Net-(D1-Pad2): length 11.9
  Top w0.25: MX1.2 6.78,73.69 MX1.2 ; 6.78,72.79 MX1.2 MX1.2 6.78,74.59 MX1.2 MX1.2 6.78,72.79
  Bottom w0.25: 5.56,71.06 6.06,71.55 MX1.2
Net-(D2-Pad2): length 11.9
  Top w0.25: MX2.2 6.78,54.64 MX2.2 ; MX2.2 6.78,53.74 MX2.2 MX2.2 6.78,55.54 MX2.2 MX2.2
  Bottom w0.25: MX2.2 6.06,52.5 5.56,52.01
Net-(D3-Pad2): length 11.9
  Top w0.25: MX3.2 6.78,35.59 MX3.2 ; MX3.2 6.78,34.69 MX3.2 MX3.2 6.78,36.49 MX3.2 MX3.2
  Bottom w0.25: MX3.2 6.06,33.45 D3.2
Net-(D4-Pad2): length 11.9
  Top w0.25: MX4.2 6.78,16.54 MX4.2 ; MX4.2 MX4.2 6.78,15.64 MX4.2 MX4.2 6.78,17.44 MX4.2
  Bottom w0.25: MX4.2 6.06,14.4 D4.2
Net-(D5-Pad2): length 12.7
  Top w0.25: MX5.2 25.83,73.69 MX5.2 ; MX5.2 MX5.2 25.83,72.79 MX5.2 MX5.2 25.83,74.59 MX5.2
  Bottom w0.25: MX5.2 25.11,70.56 D5.2
Net-(D6-Pad2): length 12.7
  Top w0.25: MX6.2 25.83,54.64 MX6.2 ; 25.83,53.74 MX6.2 MX6.2 25.83,55.54 MX6.2 MX6.2 25.83,53.74
  Bottom w0.25: MX6.2 25.11,51.51 D6.2
Net-(D7-Pad2): length 12.7
  Top w0.25: MX7.2 25.83,35.59 MX7.2 ; MX7.2 25.83,36.49 MX7.2 MX7.2 25.83,34.69 MX7.2 MX7.2
  Bottom w0.25: D7.2 25.11,32.46 MX7.2
Net-(D8-Pad2): length 12.7
  Top w0.25: MX8.2 25.83,16.54 MX8.2 ; 25.83,15.64 MX8.2 MX8.2 25.83,17.44 MX8.2 MX8.2 25.83,15.64
  Bottom w0.25: MX8.2 25.11,13.41 D8.2
Net-(D9-Pad2): length 12.7
  Top w0.25: MX9.2 44.88,73.69 MX9.2 ; MX9.2 44.88,72.79 MX9.2 MX9.2 44.88,74.59 MX9.2 MX9.2
  Bottom w0.25: MX9.2 44.16,70.56 D9.2
Net-(D10-Pad2): length 12.7
  Top w0.25: MX10.2 44.88,54.64 MX10.2 ; 44.88,53.74 MX10.2 MX10.2 44.88,55.54 MX10.2 MX10.2 44.88,53.74
  Bottom w0.25: MX10.2 44.16,51.51 D10.2
Net-(D11-Pad2): length 12.7
  Top w0.25: MX11.2 44.88,35.59 MX11.2 ; MX11.2 44.88,36.49 MX11.2 MX11.2 44.88,34.69 MX11.2 MX11.2
  Bottom w0.25: MX11.2 44.16,32.46 D11.2
Net-(D12-Pad2): length 12.7
  Top w0.25: MX12.2 44.88,16.54 MX12.2 ; 44.88,17.44 MX12.2 MX12.2 44.88,15.64 MX12.2 MX12.2 44.88,17.44
  Bottom w0.25: MX12.2 44.16,13.41 D12.2
Net-(D13-Pad2): length 12.7
  Top w0.25: MX13.2 63.93,73.69 MX13.2 ; 63.93,72.79 MX13.2 MX13.2 63.93,74.59 MX13.2 MX13.2 63.93,72.79
  Bottom w0.25: MX13.2 63.21,70.56 D13.2
Net-(D14-Pad2): length 12.7
  Top w0.25: MX14.2 63.93,54.64 MX14.2 ; MX14.2 MX14.2 63.93,53.74 MX14.2 MX14.2 63.93,55.54 MX14.2
  Bottom w0.25: MX14.2 63.21,51.51 D14.2
Net-(D15-Pad2): length 12.7
  Top w0.25: MX15.2 63.93,35.59 MX15.2 ; 63.93,34.69 MX15.2 MX15.2 63.93,36.49 MX15.2 MX15.2 63.93,34.69
  Bottom w0.25: MX15.2 63.21,32.46 D15.2
Net-(D16-Pad2): length 12.7
  Top w0.25: MX16.2 63.93,16.54 MX16.2 ; 63.93,17.44 MX16.2 MX16.2 63.93,15.64 MX16.2 MX16.2 63.93,17.44
  Bottom w0.25: D16.2 63.21,13.41 MX16.2
Net-(D17-Pad2): length 12.7
  Top w0.25: MX17.2 82.98,73.69 MX17.2 ; MX17.2 82.98,72.79 MX17.2 MX17.2 82.98,74.59 MX17.2 MX17.2
  Bottom w0.25: MX17.2 82.26,70.56 D17.2
Net-(D18-Pad2): length 12.7
  Top w0.25: MX18.2 82.98,54.64 MX18.2 ; MX18.2 82.98,53.74 MX18.2 MX18.2 82.98,55.54 MX18.2 MX18.2
  Bottom w0.25: D18.2 82.26,51.51 MX18.2
Net-(D19-Pad2): length 12.7
  Top w0.25: MX19.2 82.98,35.59 MX19.2 ; MX19.2 MX19.2 82.98,34.69 MX19.2 MX19.2 82.98,36.49 MX19.2
  Bottom w0.25: MX19.2 82.26,32.46 D19.2
Net-(D20-Pad2): length 12.7
  Top w0.25: MX20.2 82.98,16.54 MX20.2 ; MX20.2 82.98,17.44 MX20.2 MX20.2 82.98,15.64 MX20.2 MX20.2
  Bottom w0.25: D20.2 82.26,13.41 MX20.2
Net-(D21-Pad1): length 14.3
  Bottom w0.25: 29.81,66.88 19.44,66.88 17.45,64.89 16.36,64.89
Net-(D22-Pad1): length 14.3
  Bottom w0.25: 16.37,45.89 17.46,45.89 19.45,47.88 29.82,47.88
Net-(D22-Pad3): length 111.9
  Top w0.25: v1(3.94,47.98) 3.54,48.38 3.54,61.88 v1(3.94,62.28)
  Bottom w0.25: v1(3.94,62.28) 4.34,62.68 91.2,62.68 92.5,63.98 D37.1 ; v1(3.94,47.98) 4.34,47.58 9.24,47.58 9.53,47.87 D22.3
Net-(D23-Pad1): length 14.3
  Bottom w0.25: 16.37,26.79 17.46,26.79 19.45,28.78 29.82,28.78
Net-(D23-Pad3): length 111.9
  Top w0.25: v1(3.94,28.88) 3.54,29.28 3.54,42.78 v1(3.94,43.18)
  Bottom w0.25: v1(3.94,28.88) 4.34,28.48 9.24,28.48 9.53,28.77 10.7,28.77 ; v1(3.94,43.18) 4.34,43.58 91.2,43.58 92.5,44.88 92.5,45.83
Net-(D24-Pad1): length 14.3
  Bottom w0.25: 29.82,9.78 19.45,9.78 17.46,7.79 16.37,7.79
Net-(D24-Pad3): length 111.9
  Top w0.25: v1(3.94,9.88) 3.54,10.28 3.54,23.78 v1(3.94,24.18)
  Bottom w0.25: v1(3.94,24.18) 4.34,24.58 91.2,24.58 92.5,25.88 D39.1 ; D24.3 9.53,9.77 9.24,9.48 4.34,9.48 v1(3.94,9.88)
Net-(D25-Pad1): length 14.3
  Bottom w0.25: 48.81,66.88 38.44,66.88 36.45,64.89 35.36,64.89
Net-(D26-Pad1): length 14.3
  Bottom w0.25: 35.37,45.89 36.46,45.89 38.45,47.88 48.82,47.88
Net-(D27-Pad1): length 14.3
  Bottom w0.25: 35.37,26.79 36.46,26.79 38.45,28.78 48.82,28.78
Net-(D28-Pad1): length 14.3
  Bottom w0.25: 48.82,9.78 38.45,9.78 36.46,7.79 35.37,7.79
Net-(D29-Pad1): length 14.3
  Bottom w0.25: 54.46,64.89 55.55,64.89 57.54,66.88 67.91,66.88
Net-(D30-Pad1): length 14.3
  Bottom w0.25: 67.92,47.88 57.55,47.88 55.56,45.89 54.47,45.89
Net-(D31-Pad1): length 14.3
  Bottom w0.25: 67.92,28.78 57.55,28.78 55.56,26.79 54.47,26.79
Net-(D32-Pad1): length 14.3
  Bottom w0.25: 54.47,7.79 55.56,7.79 57.55,9.78 67.92,9.78
Net-(D33-Pad1): length 14.3
  Bottom w0.25: 86.91,66.88 76.54,66.88 74.55,64.89 73.46,64.89
Net-(D34-Pad1): length 14.3
  Bottom w0.25: 86.92,47.88 76.55,47.88 74.56,45.89 73.47,45.89
Net-(D35-Pad1): length 14.3
  Bottom w0.25: 73.47,26.79 74.56,26.79 76.55,28.78 86.92,28.78
Net-(D36-Pad1): length 14.3
  Bottom w0.25: 73.47,7.79 74.56,7.79 76.55,9.78 86.92,9.78
Net-(J1-PadA5): length 4.2
  Bottom w0.25: J1.A5 11.39,97.46 10.32,96.39 R1.2
Net-(J1-PadB5): length 4.2
  Bottom w0.25: J1.B5 14.39,97.23 14.74,96.88 R2.2
Net-(R3-Pad1): length 27.4
  Top w0.25: v1(45.84,102.28) 34.34,90.78 v1(29.04,90.78)
  Bottom w0.25: U1.4 45.24,102.28 v1(45.84,102.28) ; R3.1 v1(29.04,90.78)
Net-(R4-Pad1): length 30.3
  Top w0.25: v1(25.84,91.08) 26.34,91.58 26.94,91.58 28.46,90.06 35.31,90.06 v1(46.64,101.38)
  Bottom w0.25: R4.1 v1(25.84,91.08) ; U1.5 45.47,101.38 v1(46.64,101.38)
Net-(R5-Pad1): length 4.1
  Bottom w0.25: R5.1 32.15,86.93 U1.43
Net-(R6-Pad2): length 11.3
  Top w0.25: v1(54.84,87.88) 54.61,88.1 v1(51.56,88.1)
  Bottom w0.25: R6.2 55.63,87.08 v1(54.84,87.88) ; U1.20 51.48,88.1 v1(51.56,88.1)
  Bottom w0.508: R6.2 SW1.2

## Copper pours and planes (outline as drawn; the poured copper is in the pictures)
GND on Top: 104.77,80.52 23.02,80.52 23.02,107.51 104.77,107.51
GND on Top: 21.43,78.93 104.77,78.93 104.77,-1.23 -1.59,-1.23 -1.59,107.51 21.43,107.51
GND on Bottom: 21.43,78.93 104.77,78.93 104.77,-1.23 -1.59,-1.23 -1.59,107.51 21.43,107.51
GND on Bottom: 104.77,107.51 104.77,80.52 23.02,80.52 23.02,107.51

Small or netless copper shapes (teardrops, artwork), in the pictures only: 430 on Top, 17 on Bottom
